# Allegro board com_v1_p3.brd (continued)
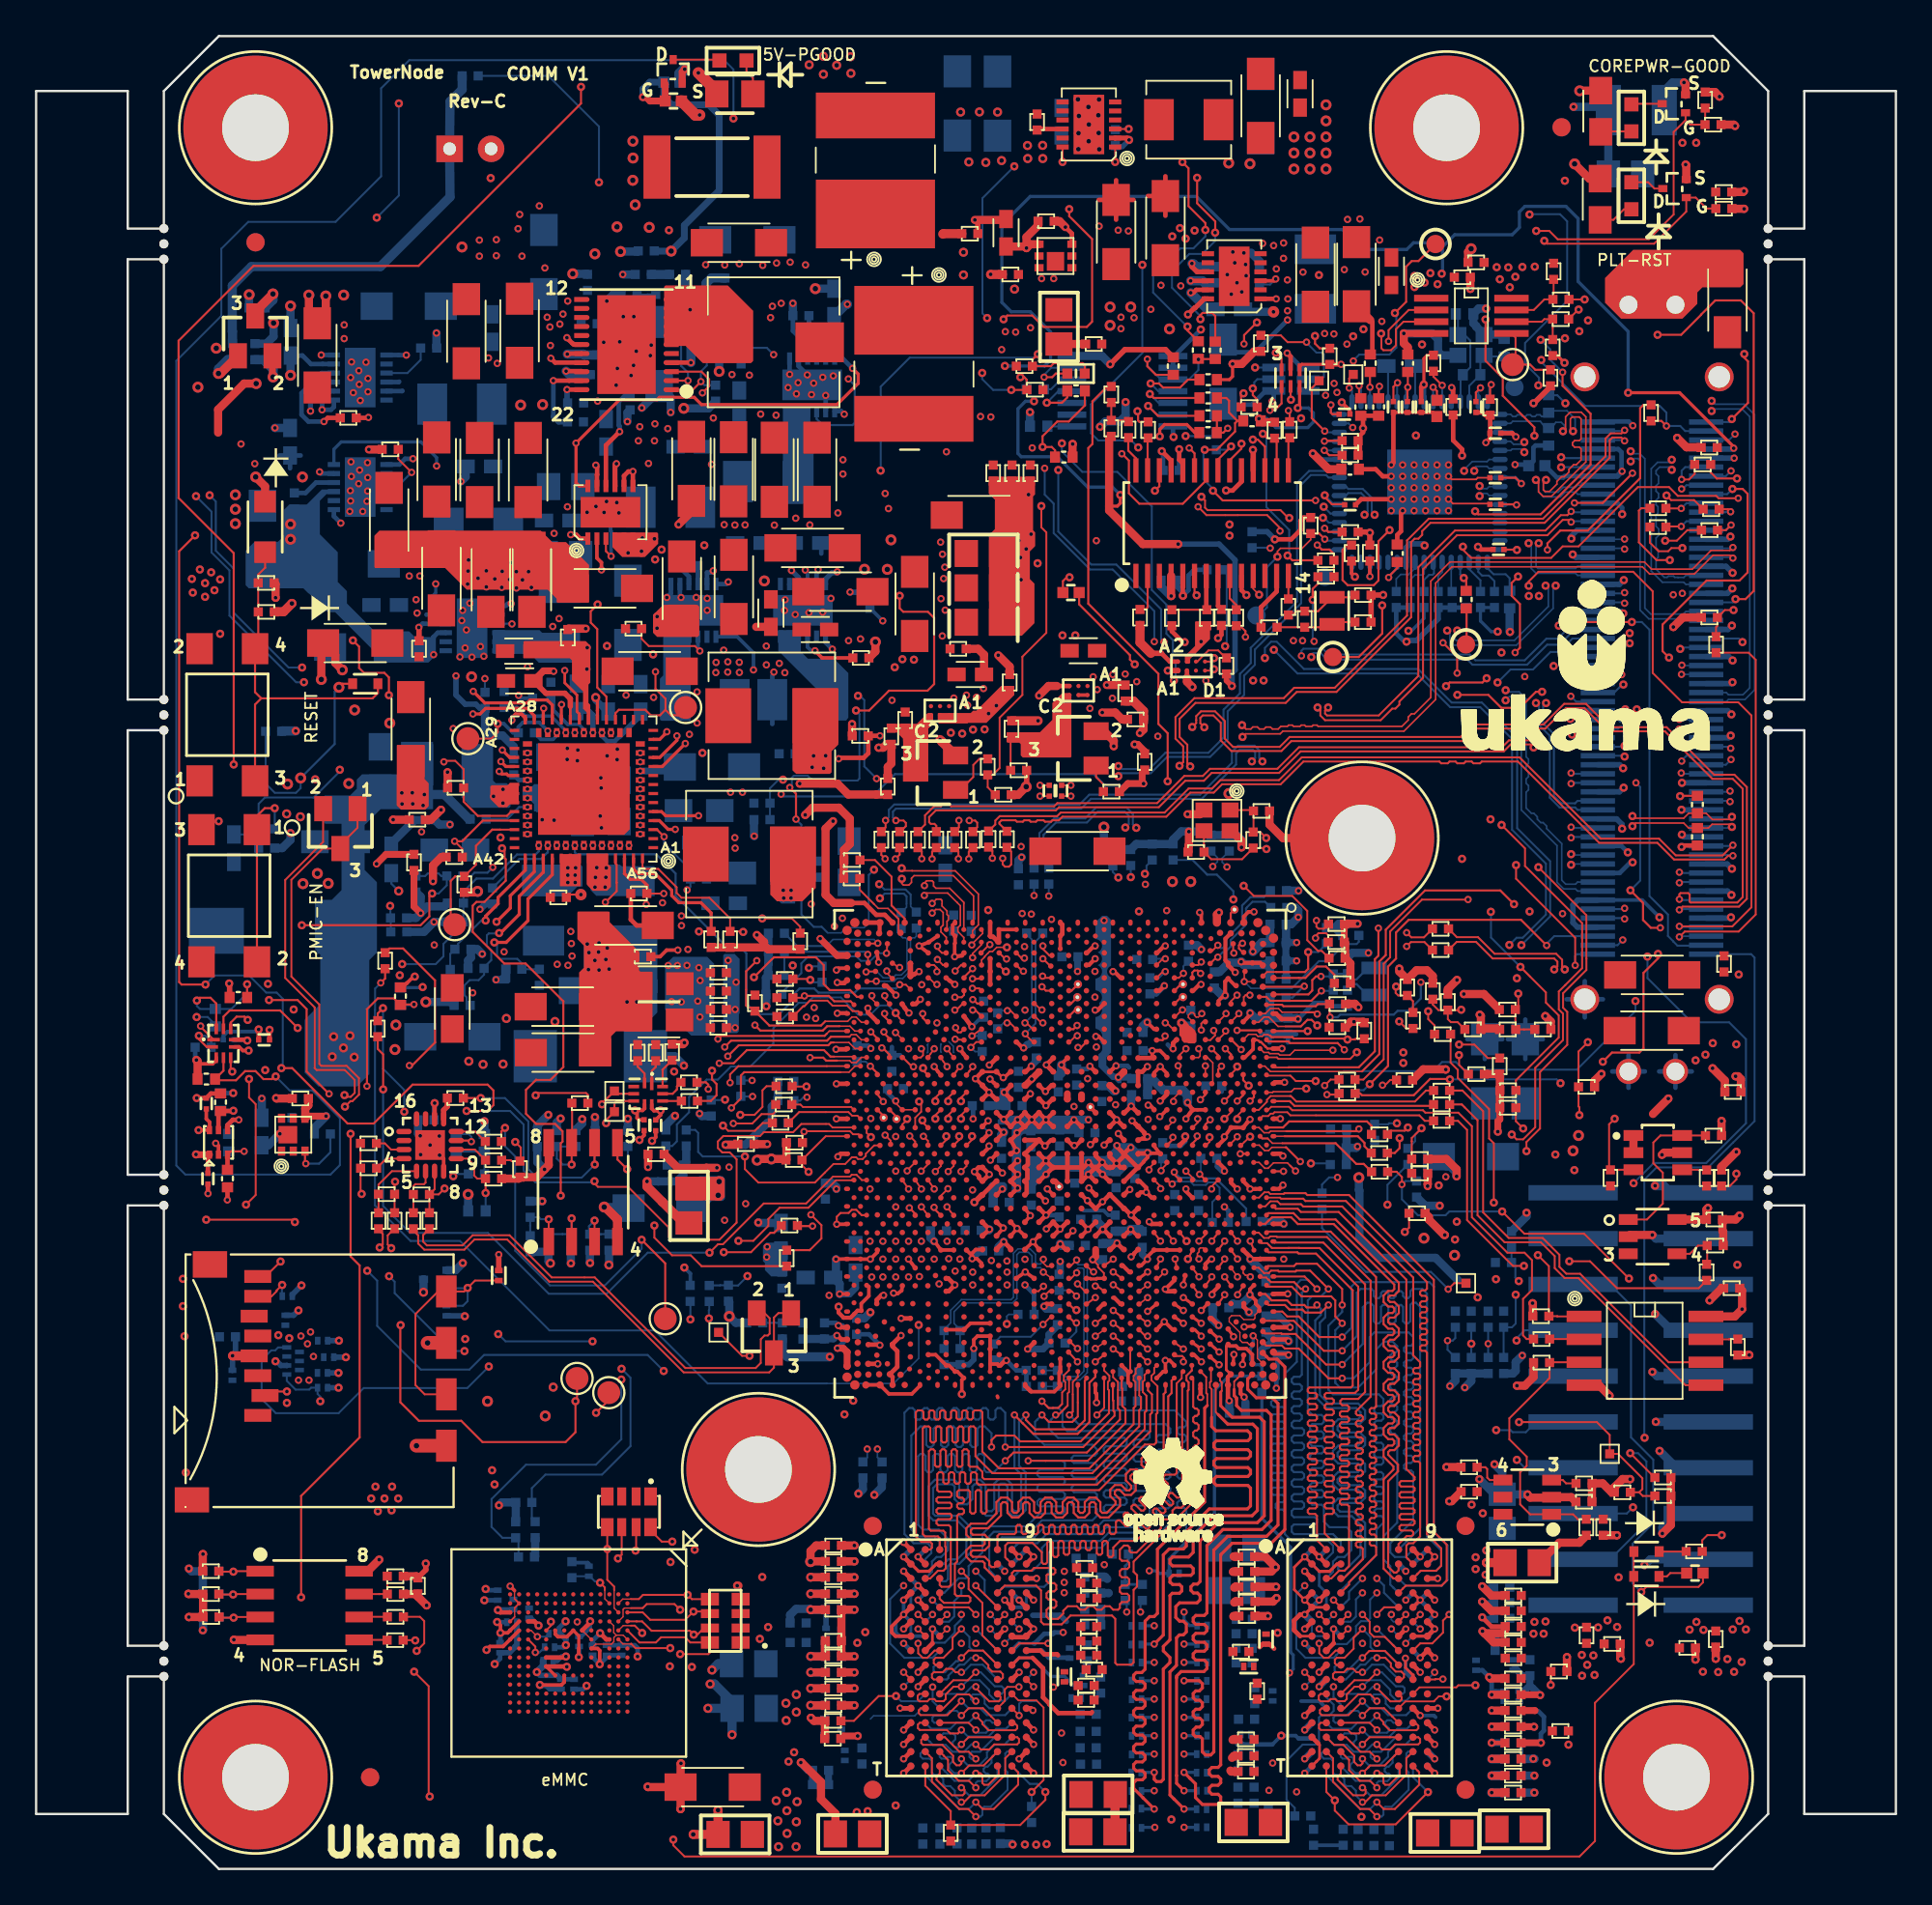
[diagram p0: board, top side]
## Routing (per net, layer and track width the routed paths; a pad name or vN(x,y) marks a point on that pad's centre or on a via; arc(x,y) is an arc through that point) (continued)
SOC_LPC_AD2: length 63.7
  TOP w0.086: 43.96,46.45 43.82,46.3
  TOP w0.102: U3C1.BJ13 43.96,46.45
  TOP w0.119: v1(66.79,79) 66.79,79 66.79,78.73 66.14,78.09 U3A5.20 ; 43.82,46.3 43.69,46.18 40.78,46.18 40.78,46.17 37.95,46.17 v2(37.78,46.01)
  L8_SIG4 w0.102: v1(66.79,79) 66.79,78.78 66.34,78.33 65.42,78.33 63.5,76.41 63.5,76.06 57.36,69.91 56.87,69.91 54.12,67.17 54.12,66.03 51.96,63.87 50.42,63.87 49.46,62.92 49.46,60 48.95,59.49 48.95,57.75 48.27,57.07 46.61,57.07 43.76,54.21 43.76,53.54 43.32,53.1 39.23,53.1 37.34,51.21 36.42,51.21 36.28,51.35 35.19,51.35 34.65,50.81 34.65,49.92 34.94,49.63 35.7,49.63 37.43,47.91 37.43,46.36 v2(37.78,46.01)
SOC_LPC_AD3: length 66.9
  TOP w0.089: 45.07,46.14 45.18,46.25 45.44,46.25 45.73,45.96 U3C1.BG14
  TOP w0.119: U3A5.17 68.09,78.84 67.7,79.24 67.43,79.24 v1(67.43,79.23) ; v2(38.16,45.56) 38.51,45.91 43.83,45.91 44.05,46.13 45.06,46.13 45.07,46.14
  L8_SIG4 w0.102: v1(67.43,79.23) 67.23,79.43 65.88,79.43 65.18,78.73 65.18,78.44 63.28,76.54 63.28,76.15 57.38,70.26 56.89,70.26 53.89,67.26 53.89,66.13 51.87,64.1 50.32,64.1 49.23,63.01 49.23,60.12 48.72,59.61 48.72,57.84 48.18,57.3 46.52,57.3 46.51,57.29 43.6,54.38 43.07,54.38 42.08,53.39 39.17,53.39 37.22,51.45 36.51,51.45 36.37,51.58 35.04,51.58 34.39,50.93 34.39,49.86 34.84,49.41 35.5,49.41 36.18,48.73 36.18,47.26 37.29,46.15 37.29,45.84 37.57,45.56 v2(38.16,45.56)
SOC_LPC_CLKOUT0: length 64.3
  TOP w0.089: U3C1.BG15 45.38,45.47 45.04,45.81 44.2,45.81
  TOP w0.119: v2(38.33,45.05) 38.93,45.66 43.9,45.66 44.05,45.81 44.2,45.81
  L8_SIG4 w0.102: v2(38.33,45.05) 37.76,45.05 37.06,45.75 37.06,46.05 36.29,46.82 35.93,46.82 34.77,47.98 34.77,48.9 34.13,49.55 34.13,50.99 34.94,51.81 35.89,51.81 37.96,53.88 40.49,53.88 41.24,54.63 43.53,54.63 46.42,57.52 46.42,57.52 46.52,57.52 46.52,57.53 47.97,57.53 48.49,58.06 48.49,59.76 49,60.27 49,63.59 55.94,70.53 57.33,70.53 63.05,76.25 63.05,76.93 64.32,78.21 64.32,79.16 64.06,79.43 v1(63.7,79.43)
  BOTTOM w0.109: R3A19.1 65.28,79.43 v1(63.7,79.43)
SOC_LPC_CLKRUNB: length 62.6
  TOP w0.089: 44.38,44.81 45.08,44.81 45.19,44.7 45.44,44.7 45.73,44.99 U3C1.BG16
  TOP w0.119: 44.38,44.81 43.78,44.81 43.62,44.97 v2(42.89,44.97) ; v2(69.4,80.84) 69.47,80.77 R10608.1
  L8_SIG4 w0.086: 44.08,53.49 44.08,53.4 43.82,53.14
  L8_SIG4 w0.102: v2(42.89,44.97) 41.81,46.05 39.63,46.05 39.17,46.52 39.17,48.02 38.31,48.88 38.31,49.52 38.78,49.99 38.78,52.18 39.02,52.42 39.48,52.42 39.71,52.19 42.87,52.19 43.82,53.14 ; 44.08,53.49 44.08,54.21 46.71,56.84 48.43,56.84 49.18,57.59 49.18,59.39 49.69,59.9 49.69,62.82 50.48,63.61 53.11,63.61 54.37,64.87 54.37,67.07 56.99,69.69 57.46,69.69 63.8,76.03 63.8,76.36 64.89,77.44 67.02,77.44 69.4,79.82 v2(69.4,80.84)
SOC_LPC_FRAME_N: length 70.8
  TOP w0.089: U3C1.BG17 45.38,44.5 45.05,44.16 44.58,44.16
  TOP w0.119: v2(38.53,42.19) 39.06,42.71 39.06,43.98 39.24,44.16 44.58,44.16 ; v2(60.16,78.45) 60.18,78.45 60.55,78.07 60.55,76.26 61.13,75.68 63.54,75.68 64.84,76.98 U3A5.22
  L8_SIG4 w0.102: v2(38.53,42.19) 38.12,42.19 38.12,42.19 37.63,42.19 36.75,43.07 36.75,44.96 36.37,45.34 35.78,45.34 35.43,45.7 35.43,46.36 34.07,47.72 34.07,48.63 33.44,49.26 33.44,49.33 33.44,51.73 35.38,53.67 36.03,53.67 36.93,54.57 40.16,54.57 40.91,55.32 43.24,55.32 45.87,57.95 45.87,58.2 48.32,60.64 48.32,64.03 56.94,72.66 56.94,75.22 v2(60.16,78.45)
SOC_MHSI_ACFLAG: length 20.2
  TOP w0.102: U3C1.BC12 47.83,47.17 v1(47.63,47.45)
  BOTTOM w0.102: 43.47,48.31 44.6,48.31 45.55,47.36 46.24,47.36 46.75,47.87 47.22,47.87 v1(47.63,47.45)
  BOTTOM w0.109: R1A12.1 34.97,39.54 34.9,39.61 R1A4.2 35.25,40.07 35.51,40.33 35.51,41.27 36.18,41.94 36.18,42.78 37.16,43.75 37.78,43.75 38.51,44.48 39.58,44.48 40.86,45.76 40.86,46.61 42.26,48.01 42.74,48.01 43.04,48.31 43.47,48.31
SOC_PCIE_CLKREQ0_B: length 6.2
  TOP w0.102: v2(46.64,51.32) 46.63,51.3 46.41,51.3 U3C1.BG3
  BOTTOM w0.086: 43.82,51.18 44.16,51.52 46.44,51.52 v2(46.64,51.32)
  BOTTOM w0.109: 43.82,51.18 43.79,51.16 42.18,51.16 R2N20.2
SOC_PCIE_CLKREQ2_B: length 6.5
  TOP w0.102: U3C1.BG5 v2(46.09,50.69)
  BOTTOM w0.109: R2N21.2 41.46,50.85 R3A20.2
  BOTTOM w0.119: v2(46.09,50.69) 45.94,50.84 41.48,50.84 R3A20.2
SOC_PCIE_CLKREQ3_B: length 7.8
  TOP w0.102: U3C1.BE3 47.16,51.08 v2(47.13,50.76)
  BOTTOM w0.102: 44.06,50.59 45.46,50.59 45.71,50.34 46.23,50.34 46.66,50.76 v2(47.13,50.76)
  BOTTOM w0.109: 44.06,50.59 42.79,50.59 42.4,50.2 42.4,49.66 41.33,48.59 R3M10.2
SOC_PCIE_CLKREQ4_B: length 10.9
  TOP w0.102: U3C1.BD5 47.83,49.97 v2(47.85,49.97)
  TOP w0.109: R2B32.2 42.85,49.33 v1(42.9,49.28)
  L8_SIG4 w0.086: 44.87,50.58 44.87,48.97 44.45,48.56 43.82,48.56
  L8_SIG4 w0.102: 44.87,50.58 46.02,51.74 46.97,51.74 47.85,50.86 v2(47.85,49.97) ; v1(42.9,49.28) 42.9,49.23 43.58,48.56 43.82,48.56
  BOTTOM w0.109: R2N26.2 43.03,49.15 v1(42.9,49.28)
SOC_PLTRST_N: length 177.8
  TOP w0.109: 82.8,49.46 83.66,48.59 83.66,48.03 84.37,47.31 84.37,46.09 82,43.72 R10378.2 ; R10782.2 93.07,92.04 ; 93.07,92.04 C2034.1 ; 93.07,92.04 92.57,92.04 91.97,92.65 Q135.G 91.44,91.88 89.66,90.09 83.74,90.09 v1(83.58,90.25)
  TOP w0.119: v1(79.74,75.26) 79.91,75.09 83.38,75.09 86.14,77.85 86.14,80.67 84.59,82.22 84.59,82.96 v2(84.59,82.97) ; v2(65.85,42.57) 66.22,42.94 U3C1.F20 ; v1(67.65,85.73) 67.6,85.68 67.6,85.68 66.94,85.02 66.94,84.54 v2(66.93,84.54) ; 82.8,49.46 v1(82.25,50) ; R2N25.1 67.67,81.46 67.42,81.7 v1(67.42,82.07)
  L3_SIG1 w0.086: v2(65.85,42.57) 66.21,42.93 67.58,42.93 68.15,42.36 69.51,42.36
  L3_SIG1 w0.102: v1(67.42,82.07) 66.85,82.64 66.85,84.45 v2(66.93,84.54) ; v2(72.49,88.65) 72.19,88.35 v1(71.09,88.35) ; v1(83.37,84.77) 83.7,84.44 85.58,84.44 86.45,85.32 86.45,87.37 v1(83.58,90.25) ; v1(41.39,60.38) 41.71,60.38 41.92,60.6 44.08,60.6 45.02,61.54 47.31,61.54 47.54,61.77 47.54,64.12 47.85,64.42 47.85,65.26 53.36,70.77 53.36,73.74 54.48,74.86 57.25,74.86 59.7,77.31 67.65,77.31 69.63,79.29 69.63,79.95 v1(70.1,80.41) ; v1(82.25,50) 81.46,50 79.5,48.03 79.5,47.17 76.32,43.99 73.67,43.99 72.04,42.36 69.51,42.36
  L5_SIG2 w0.099: v1(80.6,58.18) 80.6,53.07 v1(80.61,53.06)
  L6_SIG3 w0.099: v1(70.1,80.41) 70.35,80.66 70.35,81.68 69.96,82.07 v1(67.42,82.07)
  L8_SIG4 w0.102: v1(80.6,58.18) 79.97,58.81 79.97,71.51 79.04,72.43 78.75,72.43 78.64,72.54 78.64,73.95 79.74,75.05 v1(79.74,75.26) ; v2(72.49,88.65) 72.94,89.1 80.06,89.1 81.2,90.25 v1(83.58,90.25) ; v1(71.09,88.35) 69.84,87.11 69.84,85.69 69.62,85.47 67.9,85.47 v1(67.65,85.73)
  L8_SIG4 w0.119: v1(41.39,60.38) 37.32,60.38 34.3,57.36 v3(33.48,57.36)
  BOTTOM w0.109: v1(67.42,82.07) 67.51,82.15 67.51,82.41 67.68,82.58 Q2N1.2 ; v1(80.61,53.06) 80.62,53.05 80.62,51.63 v1(82.25,50) ; v1(83.37,84.77) 83.91,84.23 83.91,83.65 v2(84.59,82.97) ; v1(41.39,60.38) 41.15,60.38 40.67,59.9 R3M4.1 40.67,58.17 R3M5.2
SOC_PMU_BATLOW_B: length 18.3
  TOP w0.109: R3C19.1 76.08,35.54 v1(75.85,35.31)
  TOP w0.119: U3C1.K26 64.08,40.23 64.34,40.48 v2(64.34,40.63)
  L3_SIG1 w0.119: v2(64.34,40.63) 64.84,40.13 67.53,40.13 67.99,40.59 70.16,40.59 71.56,39.19 74.42,39.19 75.51,39.19 76.32,38.38 76.32,36.98 76.32,35.78 v1(75.85,35.31)
SOC_PROCHOT_B: length 244.1
  TOP w0.089: U3C1.C24 67.76,41.1 68.05,40.81 68.33,40.81 68.41,40.89 69.29,40.89
  TOP w0.109: v1(14.34,35.86) 14.21,35.99 v1(9.43,35.99) ; v1(40.24,52.69) 41.88,52.69 42.34,52.23 R1B19.2
  TOP w0.119: v2(73.3,41.02) 73.18,40.89 69.29,40.89
  L3_SIG1 w0.102: v2(73.3,41.02) 74.14,41.02 75.08,40.08 76.52,40.08 78.86,42.42 85.77,42.42 86.51,41.68 86.51,40.59 86.51,32.44 84.9,30.83 81.41,30.83 80.08,32.16 79.67,32.16 79.39,31.88 79.39,30.43 79.8,30.02 83.79,30.02 84.37,29.44 84.37,3.59 81.82,1.04 57.27,1.04 56.44,1.88 45.09,1.88 41.92,5.04 38.54,5.04 34.76,8.83 27.63,8.83 26.83,9.63 26.83,16.9 21.08,22.65 10.52,22.65 9.73,23.44 9.73,35.68 v1(9.43,35.99) ; v1(14.34,35.86) 17.78,32.42 20.53,32.42 27.86,39.76 36.96,39.76 37.92,40.72 39.52,40.72 40.2,41.4 40.2,45.25 39.42,46.03 39.42,48.04 40.38,49.01 40.38,52.54 v1(40.24,52.69) 39.16,52.69 38.75,52.28 38.75,49.99 37.61,48.84 35.25,48.84 31.01,53.09 30.12,53.09 27.23,55.98 v3(27.23,57.36)
SOC_PWRBTN_B: length 122.7
  TOP w0.102: v1(65.03,40.56) 65.03,40.3 64.84,40.12 U3C1.J26
  TOP w0.109: v1(81.77,40.71) 82.04,40.44 82.4,40.44 83.07,41.11 83.07,44.41 84.61,45.95 84.61,47.41 84.38,47.64 84.38,48.64 84.73,48.99 85.67,49.93 85.67,52.43 82.51,55.6 82.51,56.57 v1(81.21,57.87)
  TOP w0.119: v1(80.38,66) 80.15,65.77 78.33,65.77 v1(78.13,65.56)
  TOP w0.254: v2(46.76,62.81) 46.12,62.81 R2B4.2 46.12,61.85 45.86,61.59 44.52,61.59 v2(44.47,61.54)
  L5_SIG2 w0.099: v1(63.05,65.88) 63.88,65.05 77.62,65.05 v1(78.13,65.56)
  L8_SIG4 w0.102: v1(56.84,79.02) 56.1,78.28 54.87,78.28 52.7,76.11 52.7,69.84 48.35,65.49 47.46,65.49 47.01,65.05 47.01,63.06 v2(46.76,62.81) ; v2(44.47,61.54) 44.47,61.92 44.16,62.23 ; v1(80.38,66) 80.26,65.88 80.26,59.33 81.03,58.57 81.03,58.05 v1(81.21,57.87)
  L8_SIG4 w0.119: v1(81.77,40.71) 81.19,40.13 79.48,40.13 77.32,42.3 75.26,42.3 74.62,41.66 74.24,41.66 70.25,41.66 69.52,40.93 68.26,40.93 67.53,40.2 65.39,40.2 v1(65.03,40.56) ; v3(33.48,58.36) 34.43,58.36 38.3,62.23 44.16,62.23
  BOTTOM w0.109: v1(56.84,79.02) 56.84,78.58 57.98,77.44 59.92,77.44 61.83,75.53 61.83,70.89 62.63,70.09 62.63,68.48 63,68.12 63,67.03 63.15,66.88 63.15,65.98 v1(63.05,65.88)
SOC_RCOMP_SDMMC1: length 8.7
  TOP w0.119: U3C1.AY18 49.15,44.28 v1(49.15,44.39)
  L5_SIG2 w0.119: v1(49.15,44.39) 48.42,43.66 45.01,43.66 44.65,44.02 43.96,44.02 v2(42.72,42.78)
  BOTTOM w0.109: v2(42.72,42.78) 42.53,42.78 42.34,42.59 R3N15.1
SOC_RSMRST_B: length 156.7
  TOP w0.109: v2(34.78,54.07) 33.85,54.07 R11155.2
  TOP w0.119: U3C1.B10 69.04,47.9 69.12,47.82 70.9,47.82 71.03,47.94 R3B17.1 71.67,47.24 v2(71.71,47.21) 71.66,47.16 C3C1.1 ; v2(88.46,77.37) 88.46,77.37 86.81,75.72 v2(85.25,75.72)
  TOP w0.178: U2B3.A54 32.6,55.17 32.92,54.86 33.53,54.86 33.86,54.52 33.86,54.09 R11155.2
  L3_SIG1 w0.119: v2(34.78,54.07) 34.33,54.51 34.33,62.23 33.78,62.79 33.78,64.5 v2(34.22,64.94)
  L8_SIG4 w0.102: 34.99,65.02 34.91,64.94 34.63,64.94 ; v2(76.74,49.15) 77.36,49.15 78.68,50.47 85.69,50.47 86.94,51.72 86.94,59.88 87.42,60.36 87.63,60.36 88.26,60.36 88.73,60.84 88.73,62.66 88.36,63.03 88.17,63.03 87.24,63.03 86.11,64.16 86.11,67.88 85.65,68.33 85.65,75.32 v2(85.25,75.72)
  L8_SIG4 w0.119: 34.99,65.02 35.76,65.8 35.76,67.95 36.33,68.52 37.66,68.52 38.89,69.75 38.89,71.2 39.74,72.05 39.74,76.1 38.51,77.33 38.51,80.67 37.34,81.84 37.34,84.67 39.56,86.88 39.56,88.94 40.92,90.31 61.73,90.31 62.92,91.5 68.84,91.5 73.51,86.83 75.54,86.83 79.19,83.19 79.19,82.07 79.59,81.66 85.08,81.66 87.43,79.31 87.43,76.96 87.52,76.88 87.99,76.88 88.35,77.24 88.35,77.26 v2(88.46,77.37) ; v2(34.22,64.94) 34.63,64.94
  BOTTOM w0.119: v2(76.74,49.15) 76.74,48.26 76.05,47.57 75.44,47.57 75.24,47.36 72.27,47.36 72.12,47.21 v2(71.71,47.21)
SOC_RTEST_N: length 15.7
  TOP w0.089: 70.38,47.49 69.05,47.49 68.84,47.69 68.4,47.69 68.12,47.42 U3C1.C11
  TOP w0.109: v1(78.97,47.63) 78.94,47.6 78.24,47.6 R4A15.2 ; R4A15.2 77.71,47.61 77.4,47.92 R4A13.1 ; R4A15.2 78.23,47.11 78.4,46.94 78.77,46.94 C4A11.1
  TOP w0.119: 70.38,47.49 70.9,47.49 v2(71,47.39)
  L8_SIG4 w0.102: v2(71,47.39) 71.28,47.68 72.62,47.68 72.93,47.36
  L8_SIG4 w0.119: v1(78.97,47.63) 78.66,47.94 78.65,47.94 78.6,47.99 75.43,47.99 74.81,47.36 72.93,47.36
SOC_SDMMC3_RCOMP: length 14
  TOP w0.102: U3C1.BF26 46.44,40.11 45.98,39.64 45.98,39.52 45.8,39.35 45.54,39.35 45.45,39.45 45.2,39.45 44.83,39.08 44.18,39.08 43.72,38.61
  TOP w0.109: v1(39.28,39.49) 39.28,38.79 40.02,38.05 43.16,38.05 43.72,38.61
  BOTTOM w0.109: R3N20.2 36.52,40.97 36.69,40.8 36.69,39.75 36.94,39.49 v1(39.28,39.49)
SOC_SLP_S0IX_B: length 196.3
  TOP w0.102: v1(66.56,44.48) 66.56,44.41 66.22,44.06 U3C1.F18
  TOP w0.178: U2B3.A44 27.6,55.27 26.28,53.94 26.28,53.27 v1(25.52,52.51)
  L8_SIG4 w0.102: v1(66.56,44.48) 66.56,43.97 65.49,42.9 65.49,42.42 65.7,42.21 69.49,42.21 69.79,42.51 74.43,42.51 75.09,43.17 79.08,43.17 79.93,44.02 82.49,44.02 83.58,45.11 85.87,45.11 87.35,46.58 87.35,49.93 89.22,51.8 89.22,54.42 90.41,55.61 90.41,59.9 90.64,60.13 90.64,64.87 89.1,66.41 89.1,82.05 86.93,84.22 84.66,84.22 84.27,84.61 84.27,92.1 83.51,92.86 39.27,92.86 35.26,96.87 29.41,96.87 19.83,87.29 19.83,74.62 18.71,73.51 18.71,59.44 17.95,58.68 17.95,54.32 18.88,53.39 v1(19.62,53.39) 19.62,53.39 21.81,53.39 23.07,52.13 25.14,52.13 v1(25.52,52.51)
  BOTTOM w0.109: v1(19.62,53.39) 19.63,53.37 19.63,52.73 R4M23.2 19.66,52.7 R4M24.1
SOC_SLP_S3_B: length 202.9
  TOP w0.102: U3C1.D22 66.56,41.75 v1(66.56,41.57)
  TOP w0.178: v1(25.66,51.88) 25.78,52 25.85,52 26.77,52.92 26.77,53.92 28.1,55.25 U2B3.A45
  L3_SIG1 w0.102: v1(84.72,84.85) 85.12,84.85 v1(85.52,85.24)
  L8_SIG4 w0.102: v1(25.66,51.88) 22.58,51.88 22.44,51.88 21.82,51.88 21.21,52.48 19.07,52.48 17.72,53.83 17.72,58.78 18.48,59.53 18.48,73.6 19.57,74.69 19.57,87.35 29.34,97.13 35.43,97.13 39.47,93.09 83.79,93.09 84.72,92.16 v1(84.72,84.85) ; v1(66.56,41.57) 66.94,41.18 69.43,41.18 70.15,41.9 74.52,41.9 75.3,42.68 79.48,42.68 80.29,43.49 82.96,43.49 83.92,44.45 85.92,44.45 88.15,46.68 88.15,50.08 89.27,51.21 91.15,51.21 91.9,51.96 91.9,64.46 89.57,66.79 89.57,82.6 86.93,85.24 v1(85.52,85.24)
  BOTTOM w0.109: R4M21.1 23.86,48.06 23.86,48.31 23.74,48.43 23.74,48.99 24.02,49.27 24.52,49.27 24.82,49.57 R4M19.2 24.82,49.98 25.22,50.38 25.22,50.93 24.98,51.17 24.98,51.75 25.09,51.86 25.64,51.86 v1(25.66,51.88)
SOC_SLP_S4_B: length 205.2
  TOP w0.102: U3C1.F22 66.22,41.95 v1(65.85,41.58)
  TOP w0.178: v1(25.39,51.36) 26.05,51.36 27.26,52.57 27.26,53.77 28.6,55.11 U2B3.A46
  L8_SIG4 w0.102: v1(25.39,51.36) 25.12,51.63 21.67,51.63 21.05,52.25 18.97,52.25 17.49,53.73 17.49,58.87 18.25,59.63 18.25,73.7 19.31,74.76 19.31,94.78 21.95,97.42 35.64,97.42 39.75,93.32 84.07,93.32 84.99,92.39 84.99,85.19 85.6,84.58 87.09,84.58 89.33,82.35 89.33,66.58 91.62,64.29 91.62,56.41 89.48,54.27 89.48,51.74 87.91,50.17 87.91,46.79 85.88,44.76 83.74,44.76 82.75,43.77 80.17,43.77 79.32,42.93
  L8_SIG4 w0.119: v1(65.85,41.58) 66.23,41.96 69.66,41.96 69.92,42.22 74.49,42.22 75.19,42.93 79.32,42.93
  BOTTOM w0.109: R3M7.1 27.38,49.87 27.38,49.88 R4M22.2 26.92,50.2 26.66,50.45 25.71,50.45 25.54,50.62 25.54,51.21 v1(25.39,51.36)
SOC_SPI_CLK: length 10.7
  TOP w0.102: 69.49,42.84 68.41,42.84 68.21,42.64 68.21,42.53 67.75,42.07 U3C1.C22
  TOP w0.109: R10762.1 77.02,43.15 76.41,42.54 69.83,42.54 69.53,42.84 69.49,42.84
SOC_SPI_CS0_N: length 10
  TOP w0.102: U3C1.C23 67.97,41.73 68.28,41.73 68.41,41.87 68.55,41.87 68.63,41.95 69.33,41.95 69.51,41.77 70.92,41.77
  TOP w0.109: 70.92,41.77 76.65,41.77 76.95,41.47 R10765.1
SOC_SPI_MISO: length 26.3
  TOP w0.102: 69.51,42.16 69.42,42.25 68.44,42.25 68.27,42.07 U3C1.B22
  TOP w0.109: R10764.1 82.6,29.37 82.4,29.58 82.4,31.6 82.89,32.09 82.89,33.75 82.48,34.16 81.53,34.16 79.56,36.12 79.56,41.17 78.81,41.92 76.99,41.92 76.85,42.06 69.61,42.06 69.51,42.16
SOC_SPI_MOSI: length 9
  TOP w0.119: R10763.1 77.36,42.3 69.73,42.3 69.47,42.56 U3C1.A21
SOC_SRTCRST_N: length 19.4
  TOP w0.089: U3C1.C12 67.48,46.93 67.75,46.93 68.05,47.22 68.31,47.22 68.82,46.7 69.24,46.7
  TOP w0.109: C1L11.1 82.46,46.53 82.45,46.54 R4A12.1 81.99,47 81.97,47.01 R4A14.2 82.13,47.8 v1(82.13,48.52)
  TOP w0.119: 69.24,46.7 70.09,46.7 70.45,47.07 70.68,47.07 v1(71,46.76)
  L8_SIG4 w0.119: v1(71,46.76) 71.31,46.44 76.63,46.44 77.03,46.84 78.84,46.84 79.88,47.89 81.5,47.89 v1(82.13,48.52)
SOC_SUSPWRDNACK: length 197.8
  TOP w0.102: v1(67.27,40.59) 66.96,40.3 66.77,40.11 U3C1.D26
  TOP w0.109: v1(85.52,41.79) 85.52,42.22 85.47,42.27 R3C18.2 85.47,45.31 v1(85.99,45.83)
  TOP w0.178: U2B3.A43 27.11,55.51 27.11,55.36 25.6,53.86 25.6,53.5 24.91,52.81 v1(24.91,52.57)
  L3_SIG1 w0.102: v1(67.27,40.59) 67.58,40.89 70.34,40.89
  L3_SIG1 w0.119: v1(77.73,37.89) 76.16,39.46 71.78,39.46 70.34,40.89
  L8_SIG4 w0.102: v1(85.99,45.83) 87.01,46.85 87.01,49.91 88.76,51.66 88.76,54.35 90.17,55.76 90.17,60.11 90.34,60.28 90.34,64.8 88.86,66.28 88.86,81.96 86.84,83.99 84.51,83.99 83.99,84.51 83.99,91.91 83.27,92.63 38.98,92.63 34.98,96.63 29.49,96.63 20.06,87.19 20.06,76.39 20.06,74.53 18.94,73.41 18.94,59.34 18.18,58.59 18.18,54.53 18.87,53.85 19.76,53.85 19.93,53.68 21.84,53.68 23.06,52.46 24.79,52.46 v1(24.91,52.57) ; v1(85.52,41.79) 85.02,41.79
  L8_SIG4 w0.119: v1(77.73,37.89) 82.46,37.89 83.63,39.06 83.63,40.39 85.02,41.79
  BOTTOM w0.109: R4M20.1 22.95,50.72 R4M18.2 23.38,51.15 23.38,51.28 24.67,52.57 v1(24.91,52.57)
SOC_SVID_ALERT_B: length 103.3
  TOP w0.109: v1(39.18,51.94) 39.15,51.97 R2B25.2 38.46,52.69 37.31,53.84 35.76,53.84 35.49,54.11 35.49,54.42 34.48,55.43 33.71,55.43 33.6,55.54 U2B3.A56 ; R3C10.2 75.08,40.92 75.84,40.92 v1(76.02,41.1)
  L3_SIG1 w0.102: v1(82.06,49.37) 81.58,48.89 81.58,46.28 78.23,42.93 77.84,42.93 v1(76.02,41.1)
  L5_SIG2 w0.099: v1(82.06,49.37) 79.98,51.45 79.98,55.03 v1(79.02,55.99)
  L8_SIG4 w0.102: v1(39.18,51.94) 39.28,51.84 39.28,48.32 39.4,48.19 39.4,46.63 39.74,46.3 43.2,46.3 43.87,46.96 43.87,47.57 45.26,48.97 45.26,49.78 45.68,50.2 46.18,50.2 47,49.38 47.89,49.38 48.34,49.83 48.34,51.9 48.73,52.3 50.89,52.3 54.18,55.6 54.18,60.09 57.16,63.07 60.08,63.07 60.82,63.81 66.65,63.81 66.66,63.81 66.99,63.81 67,63.81 68.32,63.81 70.18,65.66 75.14,65.66 76.48,67 76.48,69.16 76.82,69.51 78.91,69.51 79.19,69.23 79.19,56.19 79.02,56.01 v1(79.02,55.99)
SOC_SVID_CLK: length 201.2
  TOP w0.109: v1(21.81,4.01) 21.75,4.07 21.75,10.13 v1(20.95,10.93) ; v1(88.27,32.73) 85.78,35.21 82.47,35.21 v1(81.24,36.44) ; v2(75.69,37.94) 75.69,38.35 75.39,38.65
  TOP w0.119: R3C16.2 75.39,38.65
  L3_SIG1 w0.102: v1(20.95,10.93) 21.51,11.5 21.51,12.85 21.09,13.27 19.42,13.27 9.38,23.31 9.38,34.76 8.35,35.8 8.35,49.02 8.98,49.66 12.25,49.66 v1(12.85,49.06)
  L5_SIG2 w0.099: v1(88.27,32.73) 88.27,30.78 91.48,27.57 91.48,16.74 88.92,14.18 88.92,11.05 86.3,8.42 86.3,3.35 83.68,0.74 28.59,0.74 25.32,4.01 v1(21.81,4.01)
  L8_SIG4 w0.102: v3(32.85,56.74) 32.85,56.72 32.32,56.19 29.25,56.19 28.8,55.74 27.76,55.74 26.94,54.92 26.94,52.19 26.94,50.19 26.48,49.72 21.67,49.72 20.65,50.75 19.07,50.75 17.38,49.06 v1(12.85,49.06)
  BOTTOM w0.109: R2B27.2 75.88,38.13 v2(75.69,37.94) 75.69,37.12 76.57,36.24 78.11,36.24 78.31,36.44 v1(81.24,36.44)
SOC_SVID_DATA: length 151.8
  TOP w0.109: v1(36.73,51.97) 36.74,51.97 R2B29.2 ; v1(75.56,40.51) 75.56,40.3
  TOP w0.119: R3C12.2 75.29,39.68 75.56,39.96 75.56,40.3
  TOP w0.178: R2B29.2 37.41,52.99 36.84,53.56 35.62,53.56 35.22,53.96 35.22,54.25 34.31,55.16 33.38,55.16 33.1,55.44 33.1,56.02 U2B3.A55
  L3_SIG1 w0.119: v2(36.63,63.52) 37.49,62.66 37.49,52.72 v1(36.73,51.97)
  L5_SIG2 w0.099: v1(86,85.84) 85.81,85.65 83.04,85.65 82.7,85.31 78.82,85.31 78.02,84.51 v1(76.8,84.51)
  L8_SIG4 w0.102: 89.12,48.79 89.12,43.84 88.31,43.03 83.8,43.03 82.99,42.23 82.99,39.62 82.92,39.55 82.92,39.54 82.7,39.32 77.18,39.32 75.99,40.51 v1(75.56,40.51) ; v1(76.8,84.51) 76.8,84.84 75.94,85.7 75.22,85.7 74.67,86.25 70.75,86.25 69.66,85.17 65.73,85.17 65.09,84.53 54.35,84.53 54.2,84.68 52.98,84.68 50.93,82.63 ; v1(86,85.84) 86.75,85.84 89.81,82.78 89.81,66.96 92.16,64.62 92.16,51.88 89.2,48.92
  L8_SIG4 w0.107: 89.2,48.92 89.12,48.84 89.12,48.79
  L8_SIG4 w0.119: v2(36.63,63.52) 42.72,63.52 48.71,69.51 48.71,80.42 50.93,82.63
SOC_THERMTRIP: length 2.8
  BOTTOM w0.109: R11505.2 R11507.2 24.84,38.53 R2A25.2
SOC_UART1_CTS: length 139
  L5_SIG2 w0.099: v1(73.55,85.35) 73.56,85.35 74.98,83.93 77.84,83.93 78.99,85.08 82.79,85.08 83.1,85.4 84.75,85.4 85.53,84.61 88.19,84.61 92.2,80.61 92.2,70.95 90.04,68.79 90.04,62.54 91.17,61.41 v2(91.19,61.41)
  L8_SIG4 w0.102: v1(36.26,30.46) 31.55,35.17 31.55,35.94 31,36.49 31,37.49 31.4,37.9 31.4,39.35 30.96,39.79 28.47,39.79 27.95,40.32 27.75,40.52 27.75,42.2 28.21,42.66 28.21,43.27 27.4,44.09 27.4,52.5 28.22,53.32 30.7,53.32 31.36,53.98 32.1,53.98 34.29,56.17 39.32,56.17 40.07,56.92 41.45,56.92 41.65,57.12 41.65,58.28 42.2,58.83 43.25,58.83 45.51,61.08 45.51,63.07 45.97,63.53 45.97,65.39 46.9,66.32 46.9,67.35 49.01,69.47 49.01,74.16 54.84,79.99 56.1,79.99 58.81,82.7 59.58,82.7 61,84.12 65.24,84.12 66.06,84.94 69.93,84.94 70.54,85.55 73.36,85.55 73.55,85.35 v1(73.55,85.35)
  BOTTOM w0.109: J20.83 91.45,61.71 91.19,61.44 v2(91.19,61.41) ; v1(36.26,30.46) 36.26,31.45 R11165.2
SOC_UART1_RTS: length 137.3
  L3_SIG1 w0.102: v2(91.22,70.71) 92.24,70.71 93.06,69.88 93.06,62.96 v2(93.91,62.12)
  L5_SIG2 w0.099: v1(72.98,84.96) 74.25,83.69 77.96,83.69 78.63,84.36 88.12,84.36 91.91,80.58 91.91,71.39 v2(91.22,70.71)
  L8_SIG4 w0.102: v1(72.98,84.96) 72.38,84.96 70.93,83.51 68.59,83.51 68.18,83.92 65.91,83.92 65.24,83.26 60.5,83.26 59.71,82.47 58.91,82.47 56.15,79.71 54.88,79.71 49.24,74.07 49.24,69.37 47.13,67.26 47.13,66.21 46.23,65.31 46.23,63.47 45.77,63.01 45.77,61 43.16,58.39 43.16,57.18 42.67,56.69 40.2,56.69 39.45,55.94 34.45,55.94 31.56,53.05 28.28,53.05 27.63,52.4 27.63,44.18 28.44,43.37 28.44,42.55 27.98,42.08 27.98,40.61 28.57,40.02 31.06,40.02 31.78,39.31 31.78,37.21 32.36,36.63 32.36,35.44 v1(37.28,30.51)
  BOTTOM w0.109: R11166.2 37.3,30.99 37.28,30.97 v1(37.28,30.51) ; v2(93.91,62.12) 93.82,62.21 J20.84
SOC_UART1_RX: length 137.8
  TOP w0.109: 40.69,35.26 39.61,34.19 v1(38.11,34.19)
  TOP w0.119: 40.69,35.26 40.89,35.26 R10551.2
  L3_SIG1 w0.102: v2(93.92,61.5) 92.8,62.62 92.8,69.79 92.36,70.23 91.12,70.23 v2(90.72,70.63)
  L5_SIG2 w0.099: v2(71.93,82.35) 71.94,82.33 72.14,82.33 72.99,83.19 73.29,83.19 73.44,83.34 78.12,83.34 78.92,84.14 88.03,84.14 91.66,80.5 91.66,71.88 90.72,70.94 v2(90.72,70.63)
  L8_SIG4 w0.102: v2(71.93,82.35) 71.91,82.33 69.75,82.33 69.28,82.81 66.17,82.81 65.96,83.01 60.64,83.01 59.86,82.24 59,82.24 56.22,79.46 54.95,79.46 51.08,75.59 51.08,69.73 50.62,69.26 49.91,69.26 49.14,68.49 49.14,66.95 48.14,65.95 47.25,65.95 46.46,65.16 46.46,63.37 46.01,62.92 46.01,60.82 43.43,58.23 43.43,57.12 42.77,56.46 40.3,56.46 39.55,55.71 34.55,55.71 31.64,52.8 28.35,52.8 27.85,52.31 27.85,44.28 29.56,42.57 29.56,40.89 30.14,40.32 31.17,40.32 32,39.48 32,39.19 32,37.35 34.67,34.69 37.61,34.69 v1(38.11,34.19)
  BOTTOM w0.109: J20.82 93.63,61.21 v2(93.92,61.5)
SOC_UART1_TX: length 135.9
  TOP w0.109: v1(34.26,35.67) 34.26,35 35.24,34.02 36.27,34.02 36.88,33.41
  TOP w0.119: R10550.2 36.88,33.41
  L5_SIG2 w0.099: v2(91.16,60.75) 89.79,62.13 89.79,82.02 87.9,83.91 84.31,83.91 83.61,83.21 83.2,83.21 82.51,83.91 79.01,83.91 78.22,83.12 73.54,83.12 73.38,82.96 73.08,82.96 72.09,81.97 v2(72.09,81.85)
  L8_SIG4 w0.102: v1(34.26,35.67) 32.23,37.69 32.23,39.58 31.24,40.56 30.24,40.56 29.79,41.02 29.79,42.66 28.08,44.37 28.08,52.21 28.43,52.56 31.72,52.56 34.64,55.48 39.65,55.48 40.4,56.23 42.86,56.23 44.96,58.33 44.96,59.4 46.25,60.68 46.25,62.83 46.69,63.28 46.69,65.05 47.36,65.72 48.25,65.72 49.37,66.84 49.37,68.4 50,69.04 50.77,69.04 51.31,69.58 51.31,75.49 55.05,79.23 56.32,79.23 59.1,82.01 60.02,82.01 60.79,82.78 65.77,82.78 65.9,82.65 65.9,82.65 66.01,82.54 69.21,82.54 69.65,82.09 71.63,82.09 71.87,81.85 v2(72.09,81.85)
  BOTTOM w0.109: J20.81 91.21,60.71 v2(91.16,60.75)
SOC_VCC_SENSE: length 47.3
  TOP w0.102: v2(61.67,38.75) 61.67,38.84 61.95,39.12 U3C1.P28
  TOP w0.203: v2(35.56,50.93) 34.94,50.93 34.58,50.57 R2B31.1
  L3_SIG1 w0.119: v3(30.85,56.74) 30.85,56.39 31.19,56.06 31.72,56.06 32.4,55.38 32.4,53.29 34.76,50.93 v2(35.56,50.93)
  L8_SIG4 w0.119: v2(35.56,50.93) 35.91,50.58 36.94,50.58 37.67,49.85 37.67,46.72 38.96,45.43 38.96,42.45 39.87,41.54 43.47,41.54 44.26,42.33 45.43,42.33 46.51,43.41 51.05,43.41 52.36,42.1 55.15,42.1 55.59,41.65 55.59,41.21 56.34,40.47 57.29,39.52 57.78,39.52 57.79,39.53 59.23,39.53 59.26,39.51 60.12,39.51 60.88,38.75 v2(61.67,38.75)
SOC_VCC_VNNSENSE: length 46.4
  TOP w0.102: v2(62.34,38.7) 62.34,38.77 62.66,39.09 U3C1.N28
  L3_SIG1 w0.119: v2(36.12,50.97) 35.69,51.4 34.87,51.4 32.74,53.53 32.74,55.52 32.35,55.91 v3(32.35,56.74)
  L8_SIG4 w0.119: v2(36.12,50.97) 37.04,50.97 37.92,50.09 37.92,46.82 39.21,45.53 39.21,42.55 39.95,41.81 43.39,41.81 44.13,42.55 45.34,42.55 46.41,43.63 50.9,43.63 50.9,43.63 51.14,43.63 52.45,42.32 55.24,42.32 55.26,42.3 55.3,42.3 55.67,41.92 56.66,41.92 57.04,41.55 57.04,40.08 57.38,39.74 57.68,39.74 57.7,39.75 59.32,39.75 59.35,39.73 60.22,39.73 60.23,39.72 60.81,39.14 61.91,39.14 v2(62.34,38.7)
  BOTTOM w0.086: v2(62.34,38.7) 62.34,39.28 R2N5.1
SOC_VNN_SENSE: length 30.2
  TOP w0.102: v2(47.86,49.02) 48.2,49.02 U3C1.BB8
  TOP w0.109: v6(30.19,54.01) 29.54,54.01 R2B22.1
  L3_SIG1 w0.102: v6(30.19,54.01) 30.48,54.3 30.48,55.88 29.85,56.5 v3(29.85,56.74)
  BOTTOM w0.119: v3(29.85,56.74) 29.85,56.35 29.96,56.25 34.37,56.25 35.44,55.18 35.44,53.94 38.14,51.24 38.87,51.24 39.36,50.75 39.36,49.43 39.36,49.43 39.36,47.95 39.93,47.39 41.18,47.39 41.79,48 41.79,48.29 42.3,48.8 43.12,48.8 43.35,48.58 45.35,48.58 45.59,48.81 47.65,48.81 v2(47.86,49.02)
SOC_WAKE_N: length 19.4
  TOP w0.102: U3C1.F26 66.56,40.57 v2(66.56,40.59)
  TOP w0.109: v1(82.4,41.04) 82,41.45 R3C20.1
  L3_SIG1 w0.102: v2(66.56,40.59) 66.88,40.9
  L3_SIG1 w0.119: v1(82.4,41.04) 81.97,41.48 78.45,41.48 76.75,39.78 74.84,39.78 74.16,40.46 71.33,40.46 70.62,41.16 67.14,41.16 66.88,40.9